# Altium PCB Main_Board.PcbDoc (part 1 of 19) (continued)
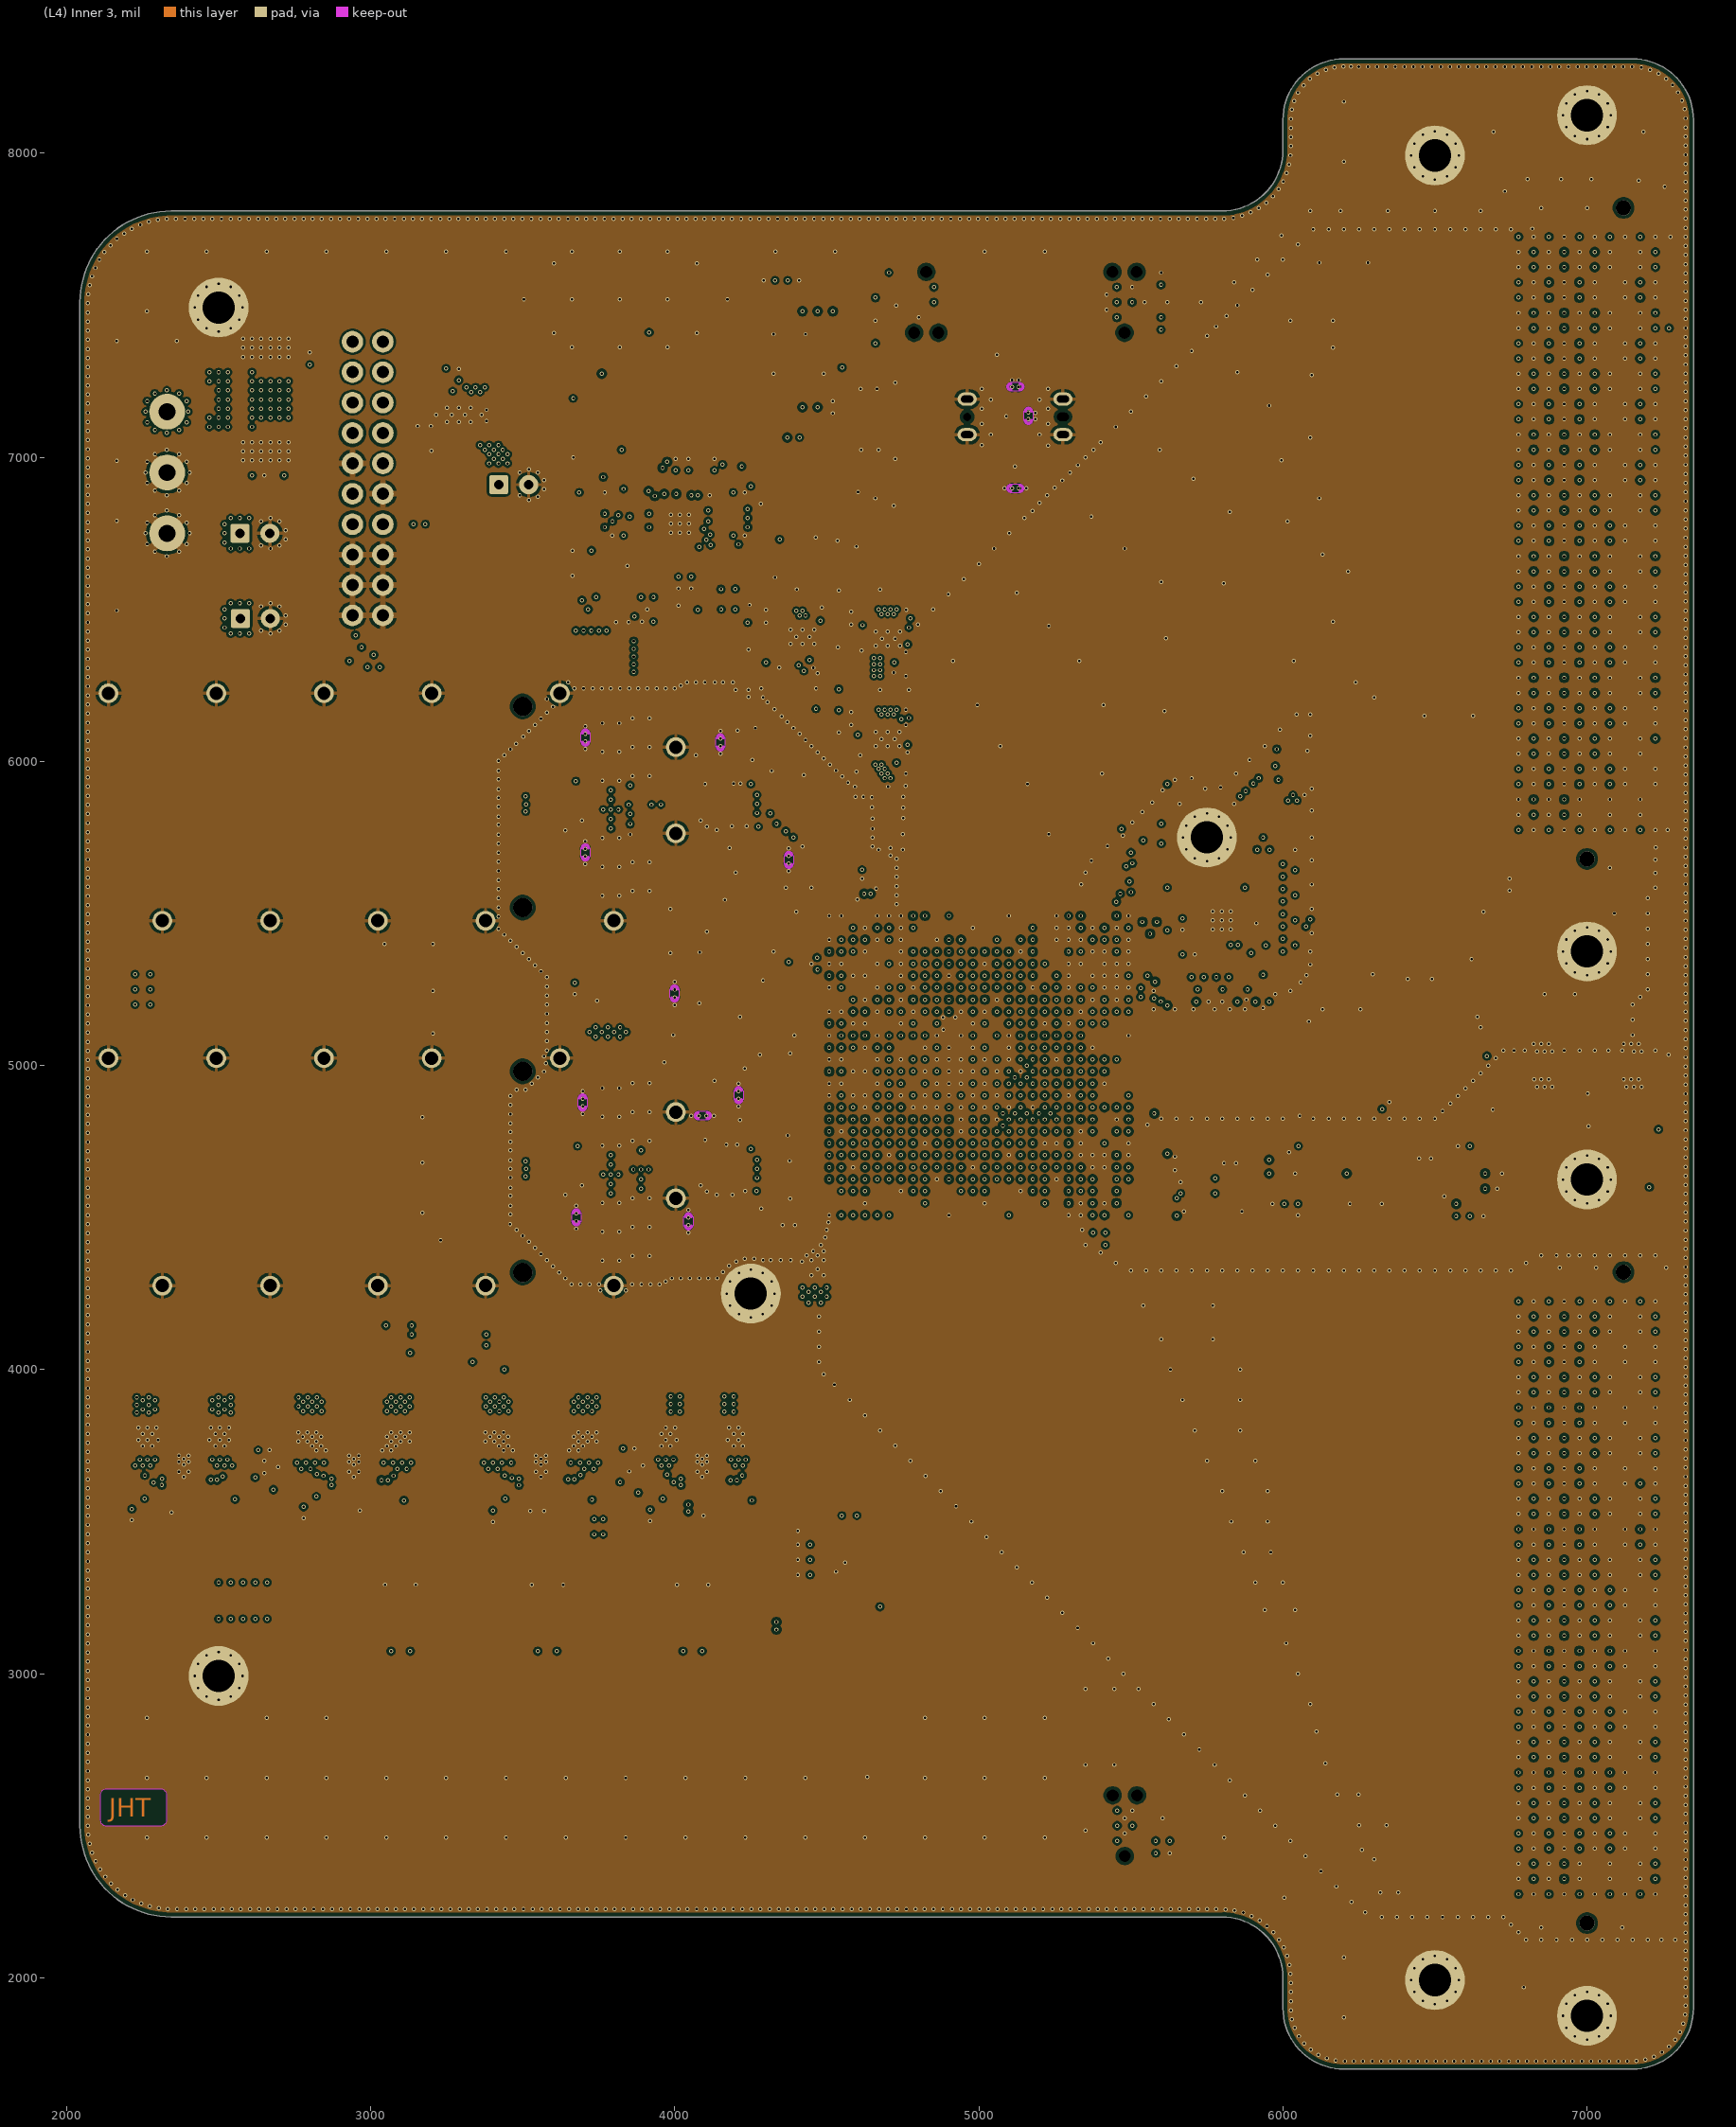
[diagram p4: (L4) Inner 3]
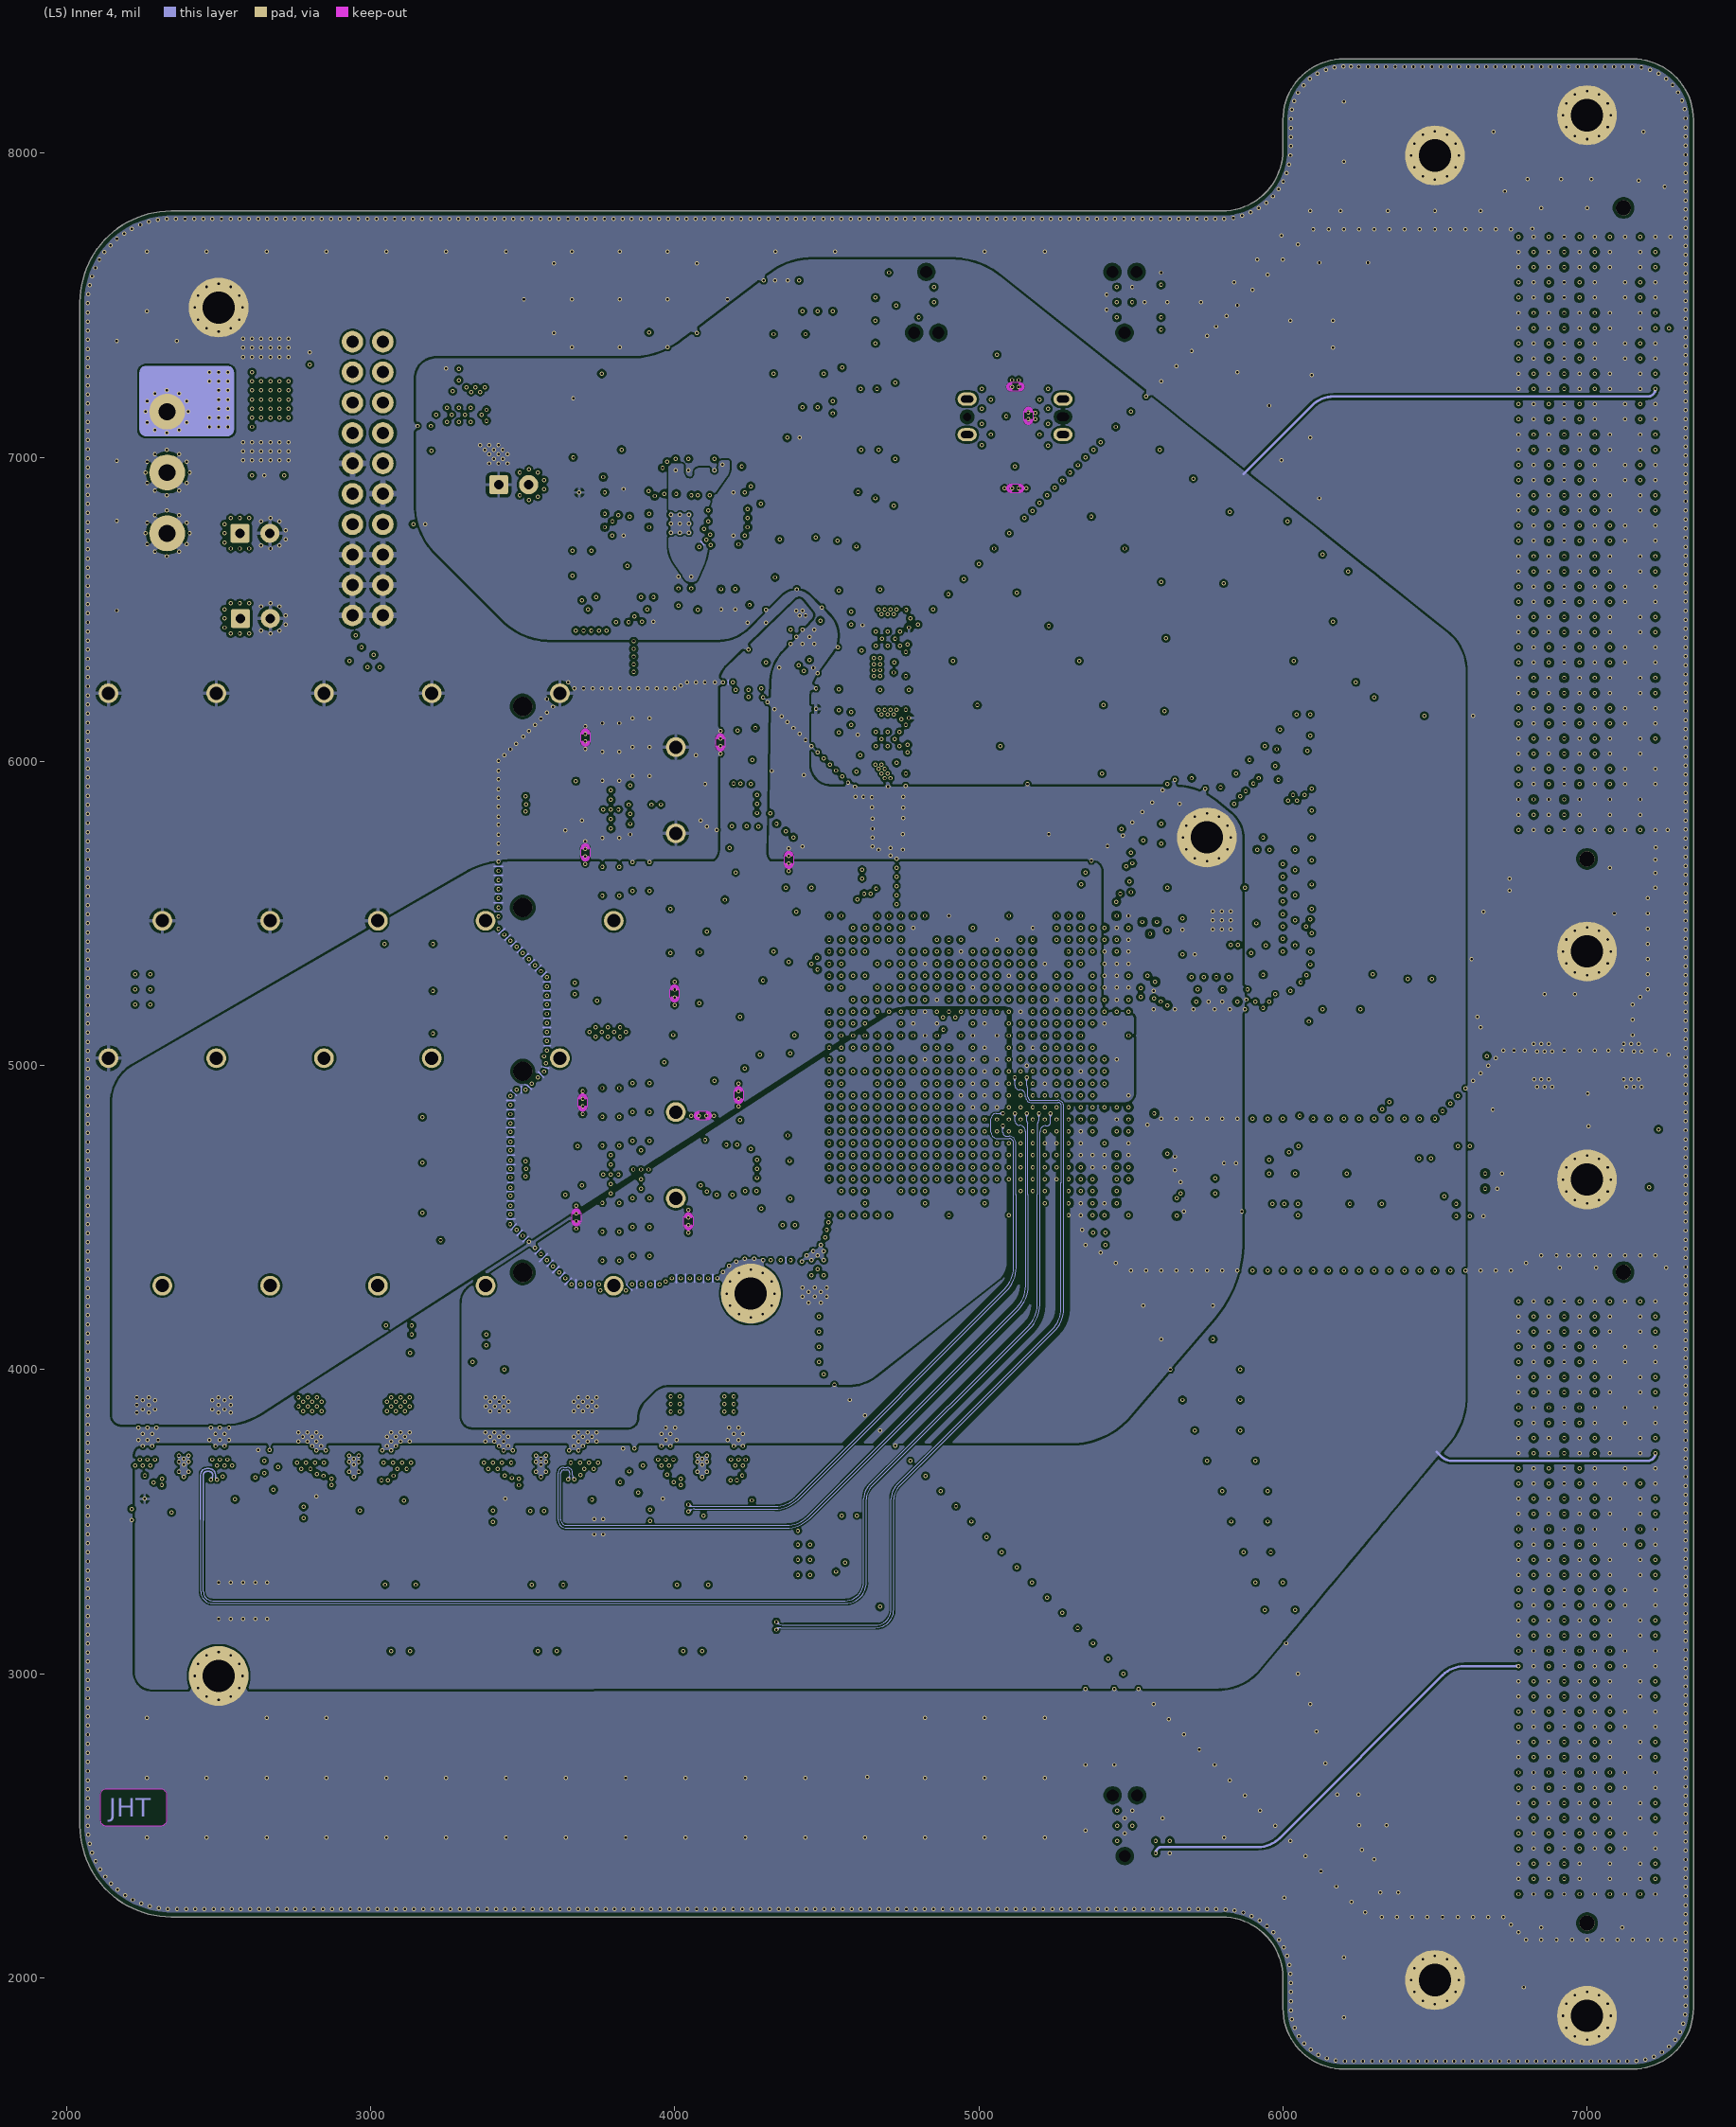
[diagram p5: (L5) Inner 4]
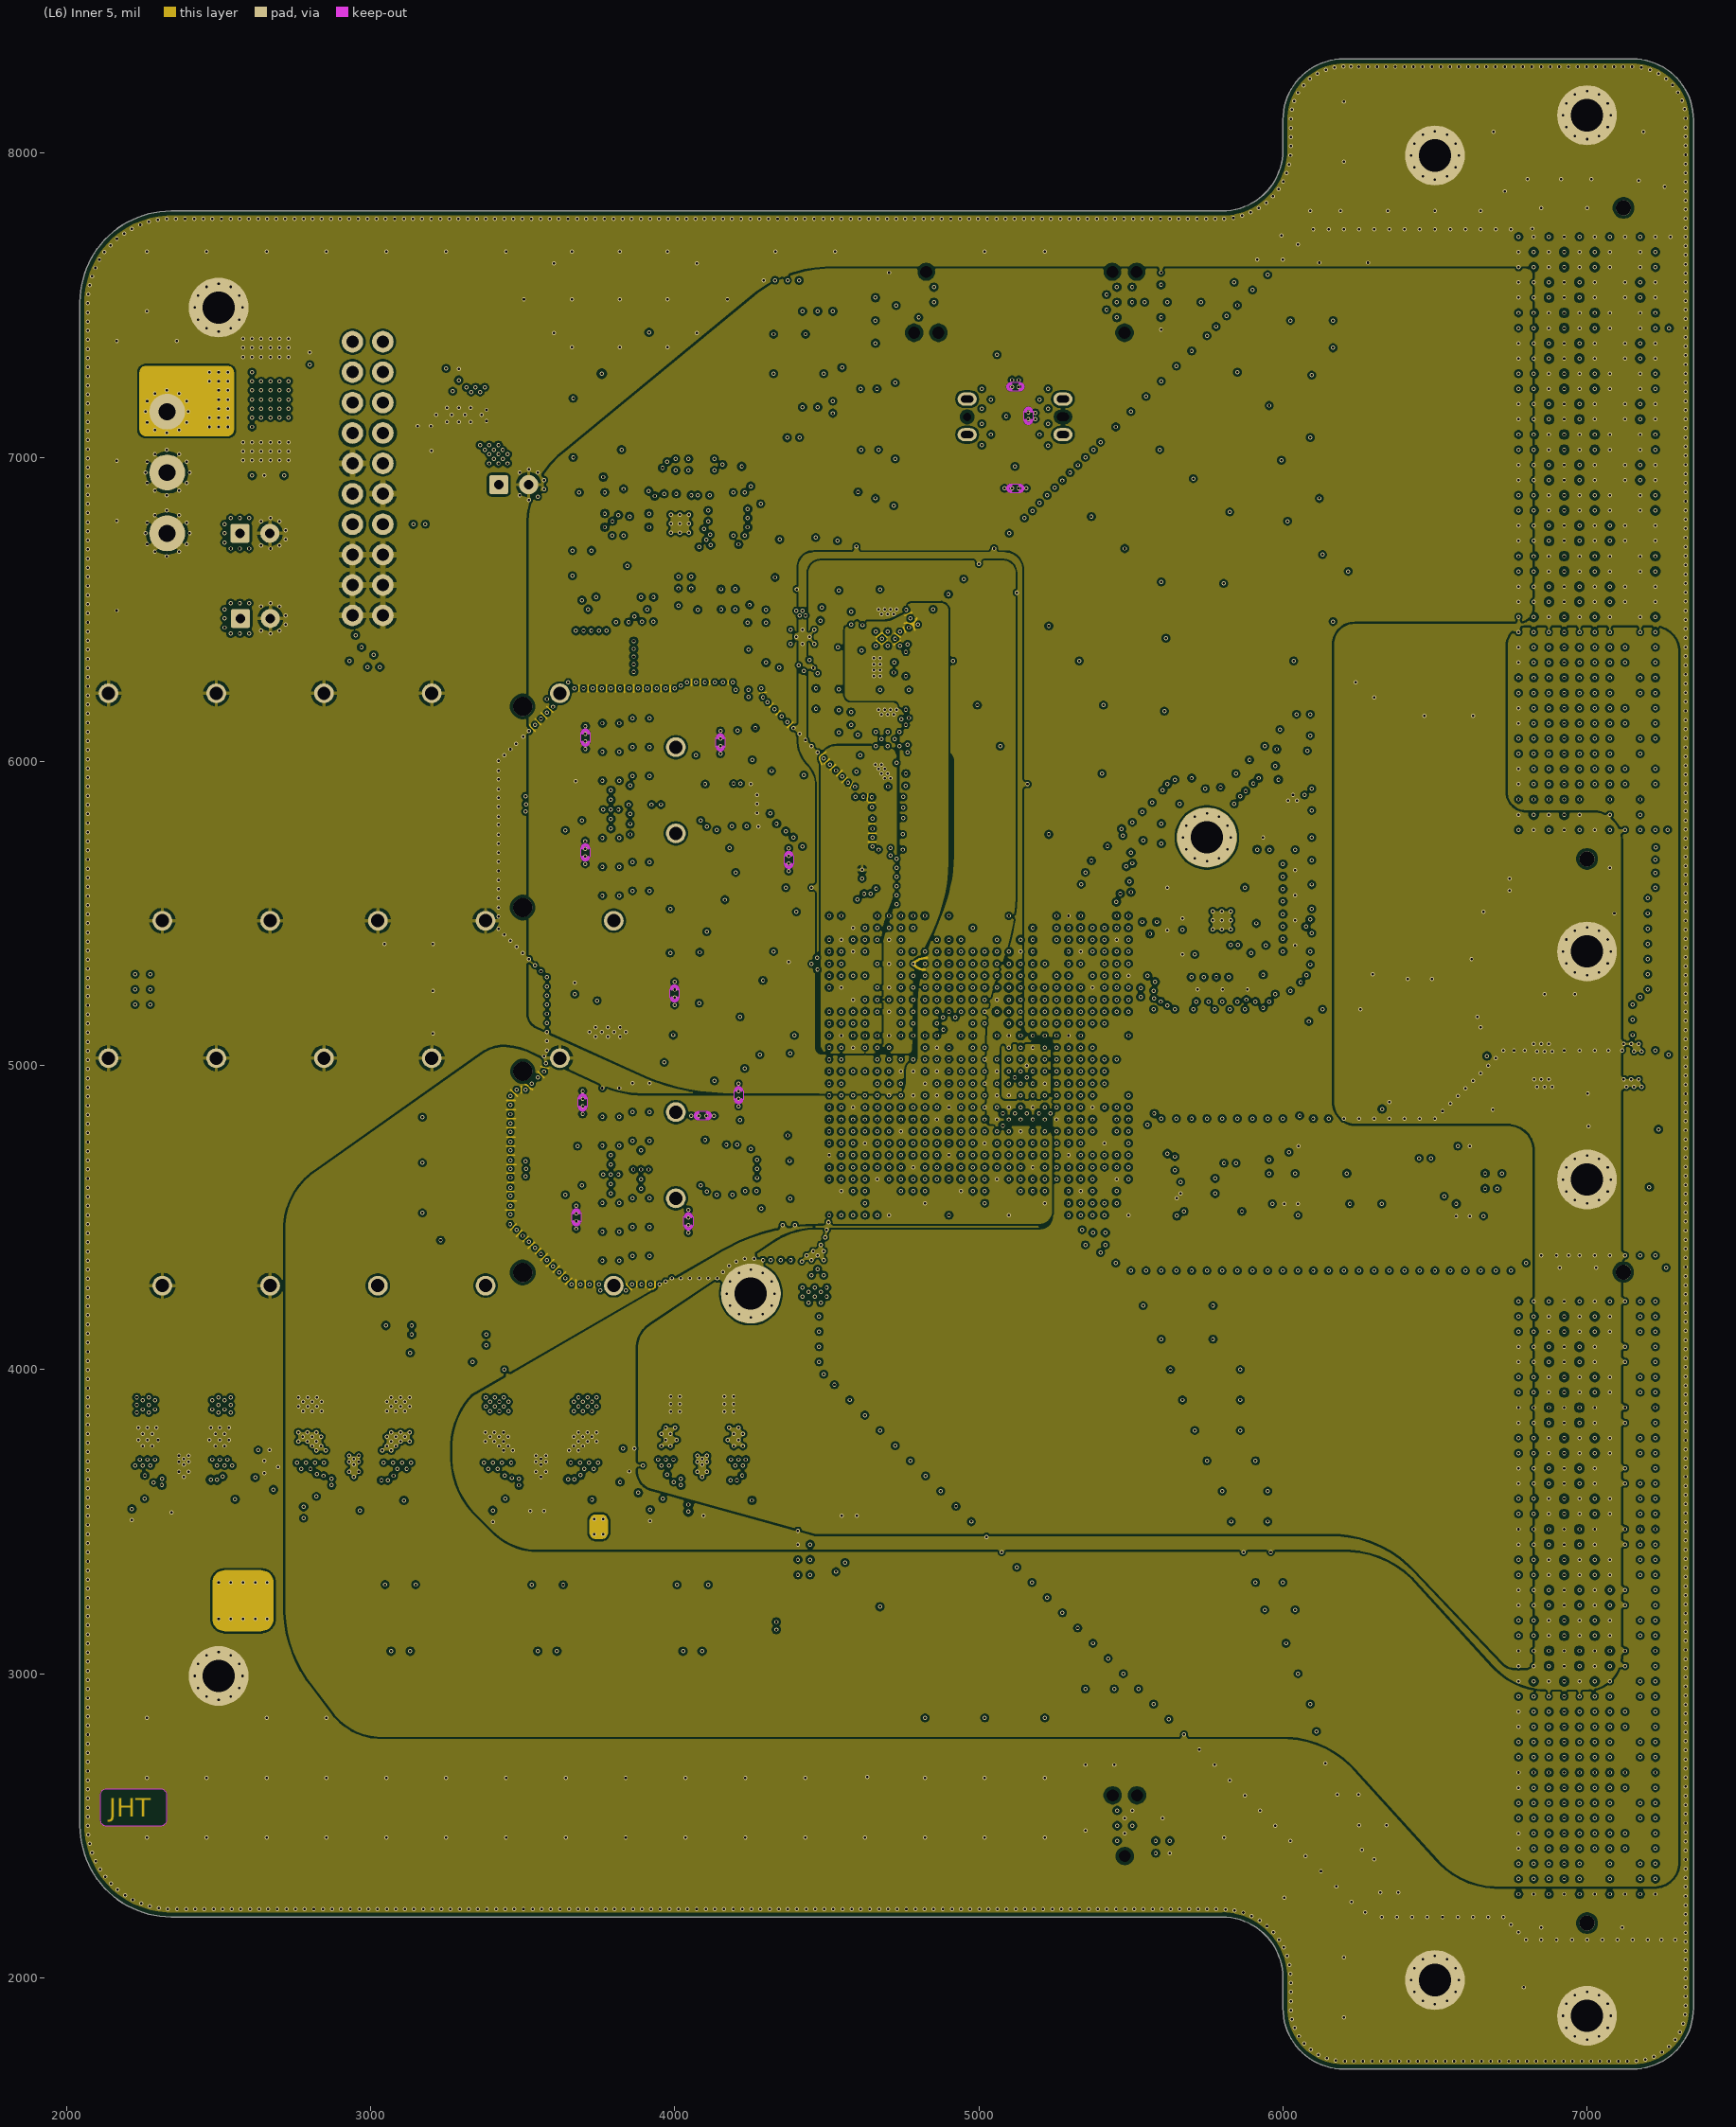
[diagram p6: (L6) Inner 5]
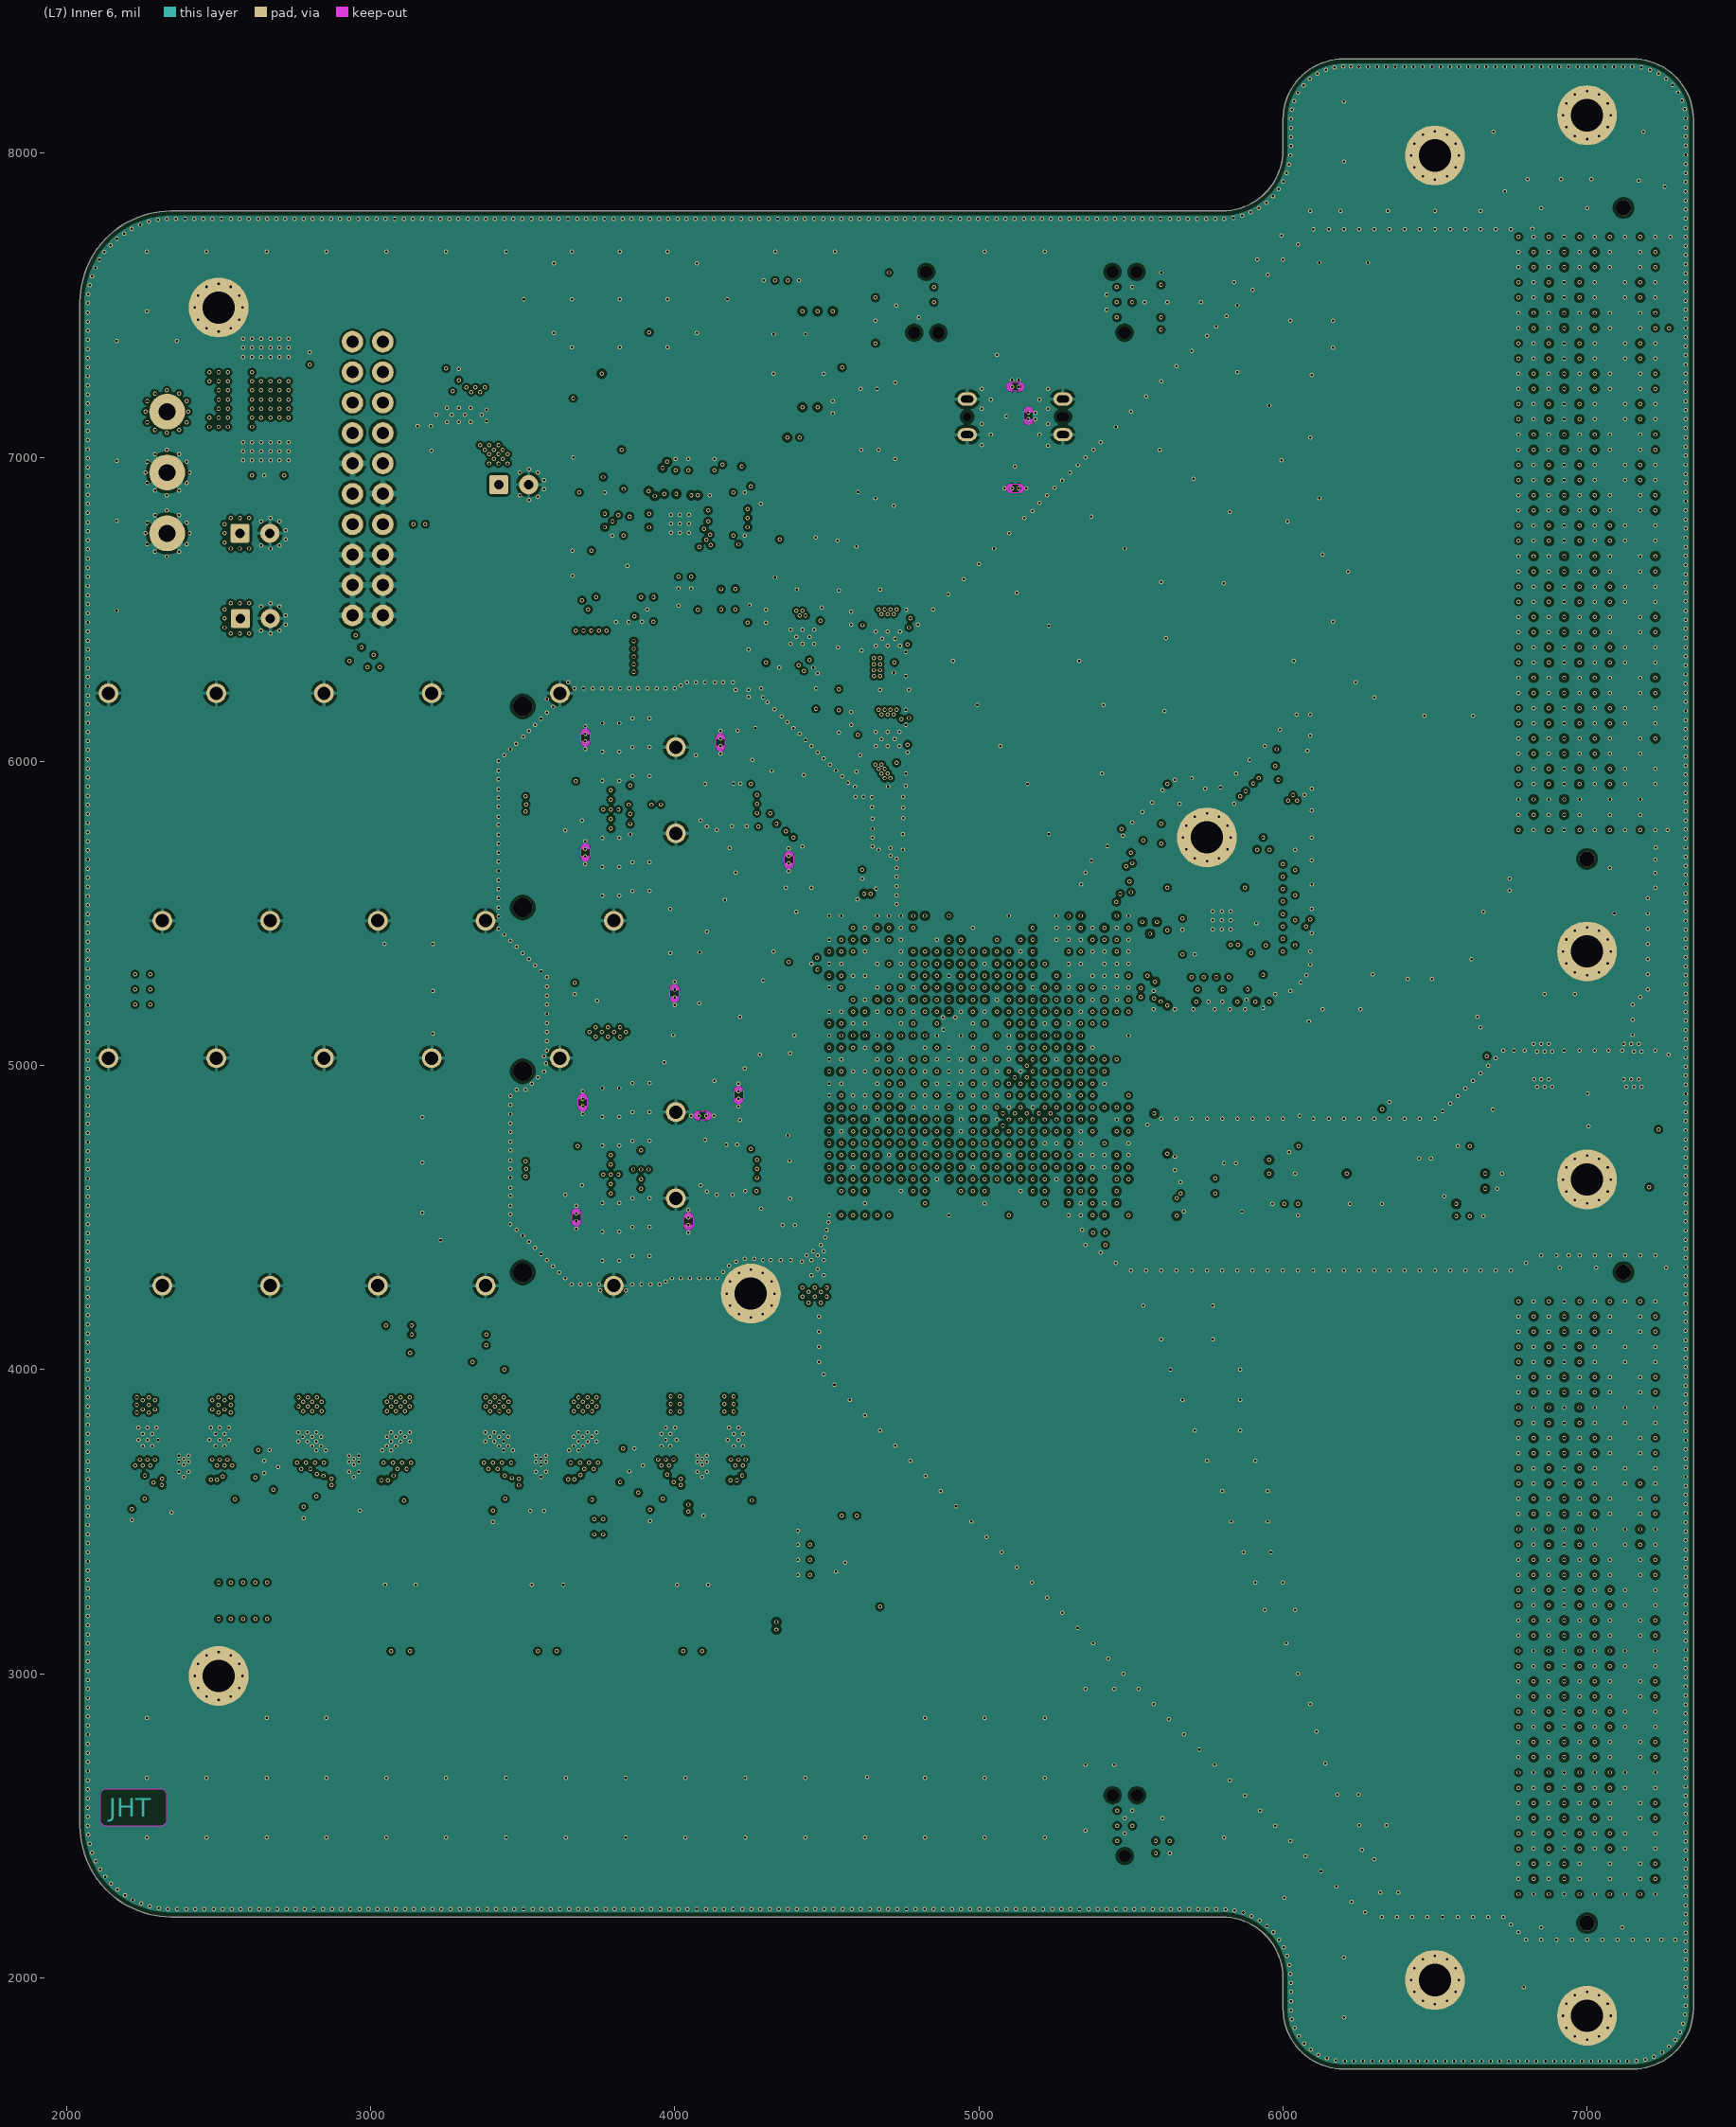
[diagram p7: (L7) Inner 6]